# Altium PCB C210_220601.PcbDoc (part 2 of 7) (continued)
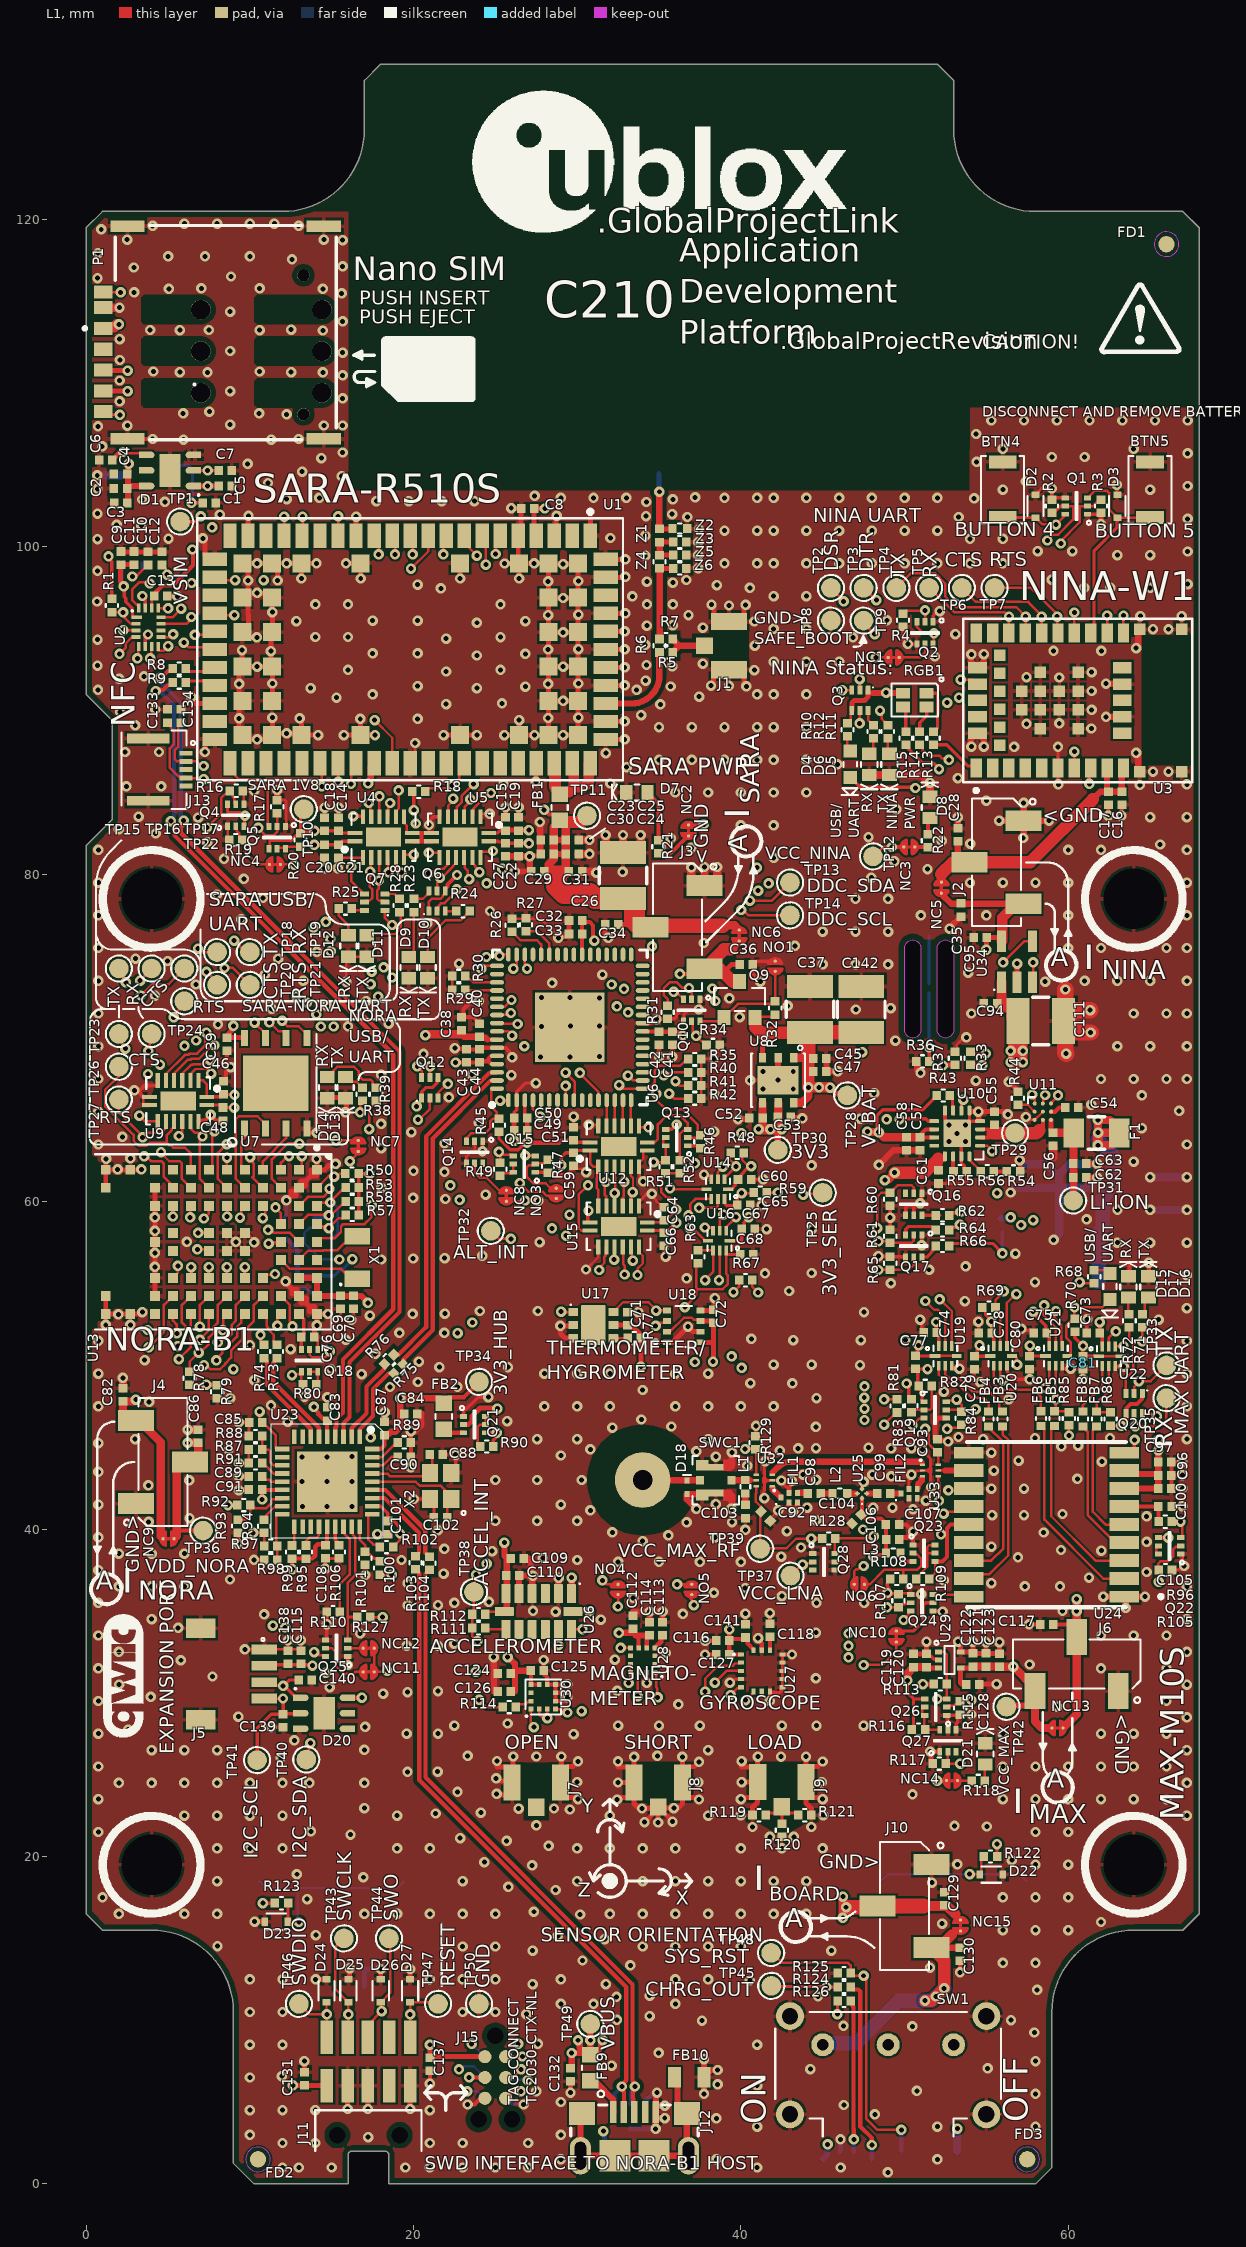
[diagram p0: L1 view]
## Part data (continued)
D1 D28: library part TPD3E001, "TVS Diode, ESD High Speed 3-Channel Array, WSON-6, 3mmX3mm", Current=None, Manufacturer 1="Texas Instruments", Manufacturer Part Number 1=TPD3E001DRSR, Max Operating Temp=85, MFG Package="WSON-6, DRS (S-PWSON-N6)", Min Operating Temp=-40, Part Name="Diode TVS 5V 3CH WSON-6", Voltage=5.5V, Body Size="3mm x 3mm", Height=0.80mm, Item Phase="In Production", Manufacturer 2=None, Manufacturer Part Number 2=None, Pins=6, Revision=0A, Supplier 2=None, Supplier Part Number 2=None, UBX Code=None, Use in new designs=Yes
D2 D3 D22 D23 D24 D25 D26 D27: "Diode TVS 5VWM BiDIR SOD523", Current=None, Manufacturer 1="ON Semiconductor", Manufacturer Part Number 1=ESD5B5.0ST1G, Max Operating Temp=150, MFG Package=SOD-523, Min Operating Temp=-55, Part Name="Diode TVS 5VWM SOD523", Supplier Part Number 1=ESD5B5.0ST1GOSCT-ND, Voltage=5VWM, Body Size="1.2mm x 0.8mm", Height=0.7mm, Item Phase=Unreleased, Manufacturer 2=None, Manufacturer Part Number 2=None, Part Number=110-00041, Pins=2, Revision=None, Supplier 1=Digi-Key, Supplier 2=None, Supplier Part Number 2=None, UBX Code=None, Use in new designs=Yes
D4 D15: "LED BLUE DIFFUSED 0603 SMD", Current=None, Manufacturer 1="OSRAM Opto Semiconductors Inc", Manufacturer Part Number 1="LB Q39G-L2OO-35-1", Supplier Part Number 1=475-2816-1-ND, Body Size=None, Height=None, Item Phase=Unreleased, Manufacturer 2=None, Manufacturer Part Number 2=None, Max Operating Temp=None, MFG Package=None, Min Operating Temp=None, Part Name="LED BLUE DIFFUSED 0603 SMD", Part Number=115-00023, Pins=None, Revision=None, Size=None, Supplier 1=Digi-Key, Supplier 2=None, Supplier Part Number 2=None, UBX Code=None, Use in new designs=None, Voltage=None
D5 D13 D16: "DIODE, LED, SMT, GREEN, CLEAR LENS, 2.0V 20mA, 0603", Current=20mA, Manufacturer 1="Lite-On Inc", Manufacturer 2=None, Manufacturer Part Number 1=LTST-C190KGKT, Max Operating Temp=85, Min Operating Temp=-30, Part Name="LED Green SMT 0603", Supplier Part Number 1=160-1435-2-ND, Voltage=2.0V, Body Size="1.60mm x 0.80mm", Height=0.80mm, Item Phase="In Production", Manufacturer Part Number 2=None, MFG Package=None, Part Number=115-00019, Pins=2, Revision=0A, Size=0603, Supplier 1=Digi-Key, Supplier 2=None, Supplier Part Number 2=None, UBX Code=None, Use in new designs=Yes
D6 D9 D12 D14 D17: "DIODE, LED, SMT, YELLOW, CLEAR LENS, 2.1V 10mA, 0603", Current=10mA, Manufacturer 1="Lite-On Inc", Manufacturer 2=None, Max Operating Temp=85, Min Operating Temp=-30, Part Name="LED Yellow SMT 0603", Supplier Part Number 1=160-1184-2-ND, Voltage=2.1V, Body Size="1.60mm x 0.80mm", Height=0.80mm, Item Phase="In Production", Manufacturer Part Number 1=LTST-C190YKT, Manufacturer Part Number 2=None, MFG Package=None, Part Number=LTST-C190YKT, Pins=2, Revision=0A, Size=0603, Supplier 1=Digi-Key, Supplier 2=None, Supplier Part Number 2=None, UBX Code=None, Use in new designs=Yes
D7 D8 D21: "DIODE, LED, SMT, Red, CLEAR LENS, 2.0V 10mA, 0603", Current=10mA, Manufacturer 1="Lite-On Inc", Manufacturer 2=None, Max Operating Temp=85, Min Operating Temp=-30, Part Name="LED Red SMT 0603", Supplier Part Number 1=160-1182-2-ND, Voltage=2.0V, Body Size="1.60mm x 0.80mm", Height=0.80mm, Item Phase="In Production", Manufacturer Part Number 1=LTST-C190EKT, Manufacturer Part Number 2=None, MFG Package=None, Part Number=LTST-C190EKT, Pins=2, Revision=0A, Size=0603, Supplier 1=Digi-Key, Supplier 2=None, Supplier Part Number 2=None, UBX Code=None, Use in new designs=Yes
D10 D11: library part LTST-C190KGKT, "DIODE, LED, SMT, GREEN, CLEAR LENS, 2.0V 20mA, 0603", Current=20mA, Manufacturer 1="Lite-On Inc", Manufacturer 2=None, Max Operating Temp=85, Min Operating Temp=-30, Part Name="LED Green SMT 0603", Supplier Part Number 1=160-1435-2-ND, Voltage=2.0V, Body Size="1.60mm x 0.80mm", Height=0.80mm, Item Phase="In Production", Manufacturer Part Number 1=LTST-C190KGKT, Manufacturer Part Number 2=None, MFG Package=None, Part Number=115-00019, Pins=2, Revision=0A, Size=0603, Supplier 1=Digi-Key, Supplier 2=None, Supplier Part Number 2=None, UBX Code=None, Use in new designs=Yes
D18: "Diode, TVS, SMT, ESD9101P2T5G, 3.3V, 0.5pF, SOD-923", Current=None, Manufacturer 1="ON Semiconductor", Manufacturer Part Number 1=ESD9101P2T5G, Max Operating Temp=150, MFG Package=SOD-923, Min Operating Temp=-55, Part Name="Diode TVS 3.3V SOD-923", Voltage=3.3V, Body Size="0.8mm x 0.6mm", Height=0.4mm, Item Phase="In Production", Pins=2, Revision=0A, UBX Code=None, Use in new designs=Yes
D20: "TVS Diode, ESD High Speed 3-Channel Array, WSON-6, 3mmX3mm", Current=None, Manufacturer 1="Texas Instruments", Manufacturer Part Number 1=TPD3E001DRSR, Max Operating Temp=85, MFG Package="WSON-6, DRS (S-PWSON-N6)", Min Operating Temp=-40, Part Name="Diode TVS 5V 3CH WSON-6", Voltage=5.5V, Body Size="3mm x 3mm", Height=0.80mm, Item Phase="In Production", Manufacturer 2=None, Manufacturer Part Number 2=None, Pins=6, Revision=0A, Supplier 2=None, Supplier Part Number 2=None, UBX Code=None, Use in new designs=Yes
D29: "Dual LED, Red/Green, Right Angle, Dome 1208", Current=20mA, Manufacturer 1=Dialight, Manufacturer 2=None, Manufacturer Part Number 1=5988510207F, MFG Package="1208 Bi-color", Part Name="LED Red/Green RA SMT 1208", Supplier Part Number 1=350-2072-1-ND, Body Size="3.2mm x 1.5mm", Height=1.0mm, Item Phase="In Production", Manufacturer Part Number 2=None, Max Operating Temp=None, Min Operating Temp=None, Part Number=115-00013, Pins=4, Revision=0A, Size=None, Supplier 1=Digi-Key, Supplier 2=None, Supplier Part Number 2=None, UBX Code=None, Use in new designs=Yes, Voltage=None
ESIM: "ESIM, SMT, MFF2, 1.8V, SMT, VFDFPN8, 5mmX6mm", Current=None, Manufacturer 1=Generic, Manufacturer Part Number 1=ESIM, Max Operating Temp=85, MFG Package=VFDFPN8, Min Operating Temp=-40, Voltage=1.8V, Body Size="5mm x 6mm", Height=1mm, Item Phase="In Production", Part Name=ESIM, Part Number="MFF2 SIM", Pins=12, Revision=0A, UBX Code=None, Use in new designs=Yes
F1: "Fuse, PTC 8V, 750mA, hold, 1.5A trip, 1206", Current=750mA, Manufacturer 1=Littelfuse, Manufacturer Part Number 1=1206L075THYR, Max Operating Temp=85, MFG Package=1206L, Min Operating Temp=-40, Part Name="Fuse PTC 8V 750mA 1206", Supplier Part Number 1=F3370CT-ND, Voltage=None, Body Size=None, Height=0.75mm, Item Phase=Unreleased, Part Number=190-00005, Pins=2, Revision=None, Size=1206, Supplier 1=Digi-Key, UBX Code=None, Use in new designs=Yes
FB1 FB2 FB9: "Ferrite Bead, 220ohm @ 100MHz, 2A, 0603", Current=2A, Manufacturer 1="Murata Electronics North America", Manufacturer 2=None, Manufacturer Part Number 1=BLM18EG221SN1D, Max Operating Temp=85, Min Operating Temp=-55, Part Name="Ferrite Bead 220ohm 2A 0503", Supplier Part Number 1=490-3992-2-ND, Body Size=None, Height=0.8mm, Item Phase=Unreleased, Manufacturer Part Number 2=None, MFG Package=None, Part Number=BLM18EG221SN1, Pins=None, Revision=None, Size=0603, Supplier 1=Digi-Key, Supplier 2=None, Supplier Part Number 2=None, UBX Code=None, Use in new designs=Yes, Voltage=None
FB3 FB4 FB5 FB6 FB7 FB8: "Ferrite Bead, 1k Ohm @ 100MHz, 0402", Current=150mA, Manufacturer 1="Taiyo Yuden", Manufacturer 2=Kemet, Manufacturer Part Number 1=BK1005HM102-T, Manufacturer Part Number 2=Z0402C102BSMST, Max Operating Temp=125, MFG Package=None, Min Operating Temp=-55, Part Name="FERRITE BEAD 1K OHM 0402", Supplier Part Number 1=587-1835-1-ND, Body Size=None, Height=0.55mm, Item Phase="In Production", Part Number=155-00003, Pins=2, Revision=0A, Size=0402, Supplier 1=Digi-Key, Supplier 2=Digi-Key, Supplier Part Number 2=399-9602-1-ND, UBX Code=None, Use in new designs=Yes, Voltage=None
FB10: "Ferrite Bead, 120ohm @ 100MHz, 3A, 0805", Current=3A, Manufacturer 1="Murata Electronics North America", Manufacturer 2=None, Manufacturer Part Number 1=BLM21PG121SN1D, Max Operating Temp=125, Min Operating Temp=-55, Part Name="Ferrite Bead 120ohm 3A 0805", Supplier Part Number 1=490-5986-1-ND, Body Size=None, Height=1.05mm, Item Phase=Unreleased, Manufacturer Part Number 2=None, MFG Package=None, Part Number=155-00014, Pins=None, Revision=None, Size=0805, Supplier 1=Digi-Key, Supplier 2=None, Supplier Part Number 2=None, UBX Code=None, Use in new designs=Yes, Voltage=None
FD1 FD2 FD3 FD4 FD5 FD6: library part Fiducial_1mm_Circle, "1mm Fiducial Target", Part Number=Fiducial_1mm, Added By=EMOO, Added Date=12/12/2020, DNP=DNP, Height=0
FIL1 FIL2: "FILTER, SMT, SAW, GNSS, 1.559-1.606GHz, LGA5", Current=None, Manufacturer 1=RF360, Max Operating Temp=85, MFG Package=QCS5P, Min Operating Temp=-40, Supplier Part Number 1=871-B39162B4353P810, Voltage=N/A, Body Size="1.4mm x 1.1mm", Height=0.45mm, Item Phase="In Production", Manufacturer Part Number 1=B39162B4353P810, Part Name=B39162B4353P810, Part Number=B39162B4353P810, Pins=5, Revision=0A, Supplier 1=Mouser, UBX Code=None, Use in new designs=Yes
J1 J7 J8 J9: "U.FL jack, SMA 50 ohm, 3 pin, SMT", Manufacturer 1="Hirose Electric Co Ltd", Manufacturer 2="Dongguan Qintai Electronics Co, Ltd.", Manufacturer Part Number 1=U.FL-R-SMT(10), Manufacturer Part Number 2=MHF-RT-1, Max Operating Temp=90, Min Operating Temp=-40, Part Name="CON RF UMC U.FL Jack 3Pin SMT", Supplier Part Number 1=H9161CT-ND, Voltage=None, Diameter=None, Height=1.25mm, Item Phase="In Production", Part Number=130-00067, Pins=3, Revision=0A, Supplier 1=Digi-Key, Supplier 2="Rayson Technology co., ltd", Supplier Part Number 2=MHF-RT-1, UBX Code=UBXH04-0001026, Use in new designs=Yes
J2 J3 J4 J6 J10: "Header, 0.100\" Pitch, 3 Pin, Vertical SMT, Black", Manufacturer 1="Harwin Inc", Manufacturer 2="Greenconn Corporation", Manufacturer Part Number 1=M20-8770342, Manufacturer Part Number 2=GPHC1010302A081B1BD, Max Operating Temp=None, Part Name="CON HDR 0.1\" 3 Pin 1 Row SMT", Supplier Part Number 1=952-1951-ND, Diameter=None, Height=9.93mm, Item Phase="In Production", Min Operating Temp=None, Part Number=130-00105, Pins=3, Revision=0C, Supplier 1=Digi-Key, Supplier 2="Teamwise Limited", Supplier Part Number 2="Greenconn Corporation GPHC1010302A081B1BD", UBX Code=None, Use in new designs=Yes, Voltage=None
J5: "Conn, Header, SMD, 1mm Pitch, 4 Pin, R/A, White", Manufacturer 1="JST Sales America Inc.", Manufacturer 2=None, Part Name="CONN HEADER SMD R/A 4POS 1MM", Diameter=None, Height=2.9mm, Item Phase="In Production", Manufacturer Part Number 1=SM04B-SRSS-TB(LF)(SN), Manufacturer Part Number 2=None, Max Operating Temp=None, Min Operating Temp=None, Part Number=SM04B-SRSS-TB(LF)(SN), Pins=4, Revision=0A, Supplier 1=None, Supplier 2=None, Supplier Part Number 1=None, Supplier Part Number 2=None, UBX Code=None, Use in new designs=Yes, Voltage=None
J11: "Header 0.05\" 10Pin 2Row SMD, RA, Black", Color=Black, Manufacturer=Samtec, Manufacturer P/N=FTSH-105-01-F-DH-A-C, Part Name="CON HDR 0.05\" 10Pin 2Row RA SMD Black", Supplier Part Number 1=SAM13925TR-ND, Component Mounting Type=SMT, Connector Type=Header, Height=3.96mm, Item_Phase=Pre-Production, Keyed=Yes, Length=12.75mm, Locking=No, Part Number="FTSH-105-01-F-DH-A-C - JTAG", Part_Type=Connector, Pin Pitch="0.050\"", Pins=10, Revision=1, Rows=2, Supplier 1=Digi-Key, Use in new designs=Yes, Width=6.35
J12: "USB Micro B Receptacle, Right Angle SMT with 2 TH Tabs, 0.65mm", Color=Silver, Manufacturer=FCI, Manufacturer 2="Seeed Technology", Manufacturer P/N=10118193-0001LF, Manufacturer P/N 2="Rigado 130-00008", Part Name="CON USB Micro-B SMT RA 2 Tabs", Supplier Part Number 1=609-4616-1-ND, Arena Link=https://app.bom.com/a/O6PX3ATATCBTBM9U?v=spec.summary, Component Mounting Type=SMT, Connector Type=USB, Height=3.10mm, Item_Phase=Production, Keyed=Yes, Length=5.05mm, Locking=No, Part Number=130-00008, Part_Type=Connector, Pin Pitch=0.65mm, Pins=5, Revision=0B, Rows=1, Supplier 1=Digi-Key, Supplier 2="Seeed Technology", Supplier Part Number 2="Rigado 130-00008", Use in new designs=Yes, Width=7.86mm
J13: "CON FFC/FPC 0.50mm 5Pos R/A", Color=White, Manufacturer="Molex Inc", Manufacturer P/N=0512810594, Supplier Part Number 1=WM9836CT-ND, Voltage=50V, Arena Link=https://app.bom.com/a/ZH08EL4L4NM1OBQL?v=spec.summary, Component Mounting Type=SMT, Connector Type=FPC, Height=1.2mm, Item_Phase=Preliminary, Keyed=No, Length=4.8mm, Locking=No, Part Name="CON FFC/FPC 0.50mm 5Pos R/A", Part Number=130-00098, Part_Type=Connector, Pin Pitch=0.5mm, Pins=5, Rows=1, Supplier 1=Digi-Key, Use in new designs=Yes, Width=3.55mm
J14: "Conn, SMT, 0.079\" Pitch, 2 Pin, R/A, Black", Manufacturer 2=None, Diameter=None, Height=5.5mm, Item Phase="In Production", Manufacturer Part Number 1=S2B-PH-SM4-TB, Manufacturer Part Number 2=None, Max Operating Temp=None, Min Operating Temp=None, Part Name="Conn, SMT, 0.079\" Pitch, 2 Pin, R/A, Black", Part Number=S2B-PH-SM4-TB, Pins=2, Revision=0A, Supplier 1=None, Supplier 2=None, Supplier Part Number 1=None, Supplier Part Number 2=None, UBX Code=None, Use in new designs=Yes, Voltage=None
J15 J17: "CON PADS FOR CBL PLUG-OF-NAILS 6-PIN NO LEGS", Manufacturer="TAG Connect", Manufacturer P/N=TC2030-IDC-NL, Added By=emoo, Added Date=12/3/2015, DNP=DNP, Height=0, Part Number=TC2030-IDC-NL, Size="3.81mm x 7.62mm"
L1: library part 150-00028, "Inductor, 12nH, 300mA, 0402", Current=300mA, Manufacturer 1="Johanson Technology Inc.", Manufacturer 2=None, Manufacturer Part Number 1=L-07C12NJV6T, Max Operating Temp=125, Min Operating Temp=-55, Part Name="IND 12nH 250mA 0402", Supplier Part Number 1=712-1453-1-ND, Tolerance="+/- 5%", Voltage=N/A, Body Size=None, Height=0.6mm, Isat=None, Item Phase=Unreleased, Manufacturer Part Number 2=None, Part Number=150-00028, Pins=2, Revision=None, Size=0402, Supplier 1=Digi-Key, Supplier 2=None, Supplier Part Number 2=None, UBX Code=None, Use in new designs=Yes
L2 L3 Z2: library part 150-00010, "INDUCTOR 10NH 300MA 0402", Current=None, Manufacturer 1="Murata Electronics North America", Manufacturer Part Number 1=LQG15HS10NJ02D, Max Operating Temp=125, Min Operating Temp=-55, Supplier Part Number 1=490-2623-1-ND, Tolerance="+/- 5%", Body Size=None, Height=0.55mm, Isat=300mA, Item Phase="In Production", Manufacturer 2=None, Manufacturer Part Number 2=None, Part Name="INDUCTOR 10NH 300MA 0402", Part Number=150-00010, Pins=2, Revision=0A, Size=0402, Supplier 1=Digi-Key, Supplier 2=None, Supplier Part Number 2=None, UBX Code=None, Use in new designs=Yes, Voltage=None
NC1 NC3 NC5 NC7 NC9 NC10 NC12 NC13 NC14: "Solderbridge-Short", Added By="Paul B", Added Date=12/2/2015, DNP=DNP, Height=0, Part Number=Solderbridge-Short
NC2 NC4 NC6 NC8 NC11 NC15: library part Solderbridge-Short, "Solderbridge-Short", Added By="Paul B", Added Date=12/2/2015, DNP=DNP, Height=0, Part Number=Solderbridge-Short
NO1 NO3: library part Solderbridge-Open, "Solderbridge-Open", Added By="Paul B", Added Date=12/2/2015, DNP=DNP, Height=0, Part Number=Solderbridge-Open
NO4 NO5 NO6: "Solderbridge-Open", Added By="Paul B", Added Date=12/2/2015, DNP=DNP, Height=0, Part Number=Solderbridge-Open
P1: "NANO SIM SOCKET, SWITCH, SMT, PUSH-PUSH, 13mmX14mm", Current=1A, Manufacturer 1=GCT, Manufacturer Part Number 1=SIM8065-6-1-14-01-A, Max Operating Temp=85, MFG Package=Custom, Min Operating Temp=-40, Voltage=30V, Body Size="13mm x 14mm", Height=1.25mm, Item Phase="In Production", Part Name=SIM8065, Part Number=SIM8065, Pins=11, Revision=0A, UBX Code=None, Use in new designs=Yes
Q1 Q2 Q4 Q10 Q13 Q14 Q16 Q17 Q19 Q24 Q25: "MOSFET 2N-CH 20V 0.8A, SOT-563", Current=800mA, Manufacturer 1="Toshiba Semiconductor and Storage", Manufacturer 2=None, Manufacturer Part Number 1=SSM6N56FE,LM, Max Operating Temp=150, MFG Package=SOT-563, Min Operating Temp=-55, Part Name="MOSFET 2N-CH 20V 0.8A SOT-563", Supplier Part Number 1=SSM6N56FELMCT-ND, Voltage=20V, Body Size="1.6mm x 1.2mm", Height=0.6mm, Item Phase="In Production", Manufacturer Part Number 2=None, Part Number=140-00016, Pins=6, Revision=0A, Supplier 1=Digi-Key, Supplier 2=None, Supplier Part Number 2=None, Thermal Pad=No, Transistor Type=N-Channel, UBX Code=None, Use in new designs=Yes
Q3 Q6 Q7 Q12 Q20: "MOSFET DUAL P-CH 20V SOT-563, -350mA", Current=-350mA, Manufacturer 1="ON Semiconductor", Manufacturer 2=None, Max Operating Temp=150, MFG Package=SOT-563, Min Operating Temp=-55, Part Name="MOSFET DUAL P-CH 20V SOT-563", Supplier Part Number 1=2156-FDY2000PZ-ND, Voltage=20V, Body Size=1.6mmx1.6mm, Height=0.6mm, Item Phase="In Production", Manufacturer Part Number 1=FDY2000PZ, Manufacturer Part Number 2=None, Part Number=FDY2000PZ, Pins=6, Revision=0A, Supplier 1=Digi-Key, Supplier 2=None, Supplier Part Number 2=None, Thermal Pad=No, Transistor Type=Multiple, UBX Code=None, Use in new designs=Yes
Q5 Q15 Q18 Q21 Q22 Q23 Q26 Q27 Q28: "MOSFET N/P-CH 20V SOT-563, 540 mA, −430 mA", Current="540 mA, −430 mA", Manufacturer 1="ON Semiconductor", Manufacturer 2=None, Manufacturer Part Number 1=NTZD3155CT2G, Max Operating Temp=150, MFG Package=SOT-563, Min Operating Temp=-55, Part Name="MOSFET N/P-CH 20V SOT-563", Supplier Part Number 1=NTZD3155CT2GOSCT-ND, Voltage=20V, Body Size=1.6mmx1.6mm, Height=0.6mm, Item Phase="In Production", Manufacturer Part Number 2=None, Part Number=140-00030, Pins=6, Revision=0A, Supplier 1=Digi-Key, Supplier 2=None, Supplier Part Number 2=None, Thermal Pad=No, Transistor Type=Multiple, UBX Code=None, Use in new designs=Yes
Q9: "P-MOSFET, 20V 3.1A, SOT-23", Current=3.1A, Manufacturer 1="Vishay Siliconix", Manufacturer 2=None, Manufacturer Part Number 1=SI2301CDS-T1-GE3, Max Operating Temp=150, MFG Package=SOT23, Min Operating Temp=-55, Part Name=Si2301CDS, Supplier Part Number 1=SI2301CDS-T1-GE3CT-ND, Voltage=20V, Body Size=None, Height=None, Item Phase="In Production", Manufacturer Part Number 2=None, Part Number=140-00008, Pins=3, Revision=0B, Supplier 1=Digi-Key, Supplier 2=None, Supplier Part Number 2=None, Thermal Pad=None, Transistor Type=P-Channel, UBX Code=None, Use in new designs=Yes
R1 R36 R44 R55 R67 R77 R87 R88 R92 R93 R97 R98: library part 180-00024, "Resistor 10k ohm 1% 1/16W, 0402", Manufacturer 1="Samsung Electro-Mechanics America, Inc", Manufacturer 2="Hong Kong Resistors Manufactory", Manufacturer Part Number 1=RC1005F103CS, Manufacturer Part Number 2=RCT0210KFLF, Max Operating Temp=155, Min Operating Temp=-55, Part Name="RES SMD 10K OHM 1% 1/16W 0402", Power=1/16W, Supplier Part Number 1=1276-3431-1-ND, Tolerance="+/- 1%", Voltage=N/A, Height=0.4mm, Item Phase="In Production", Part Number=180-00024, Pins=2, Revision=0E, Size=0402, Supplier 1=Digi-Key, Supplier 2=None, Supplier Part Number 2=None, UBX Code=None, Use in new designs=Yes
R2 R3 R4 R16 R17 R19 R20 R31 R32 R33 R34 R37 R43 R46 R47 R49 R51 R52 R60 R61 R65 R70 R79 R80 R82 R84 R85 R90 R105 R108 R109 R113 R115 R116 R117 R122 R123 R125 R128 R129: library part 180-00054, "Resistor 1M ohm 1%, 1/16W, 0402", Manufacturer 1="Samsung Electro-Mechanics America, Inc", Manufacturer 2="Hong Kong Resistors Manufactory", Manufacturer Part Number 1=RC1005F105CS, Manufacturer Part Number 2=RCT021MFLF, Max Operating Temp=155, Min Operating Temp=-55, Part Name="RES SMD 1M OHM 1% 1/16W 0402", Power=1/16W, Supplier Part Number 1=1276-3433-1-ND, Tolerance="+/- 1%", Voltage=None, Height=0.4mm, Item Phase="In Production", Part Number=180-00054, Pins=2, Revision=0D, Size=0402, Supplier 1=Digi-Key, Supplier 2=None, Supplier Part Number 2=None, UBX Code=None, Use in new designs=Yes
R5 R6 R7 R8 R9 R26 R27 R29 R30 R35 R40 R41 R42 R73 R74 R75 R76 R103 R104 R111 R114 Z3 Z4 Z5 Z6: library part 180-00020, "Resistor 0 ohm 1/16W 0402", Manufacturer 1=Yageo, Manufacturer 2="Hong Kong Resistors Manufactory", Manufacturer Part Number 1=RC0402FR-070RL, Manufacturer Part Number 2=RCT020RLF, Max Operating Temp=155, Min Operating Temp=-55, Part Name="RES SMD 0.0 OHM JUMPER 1/16W 0402", Power=1/16W, Supplier Part Number 1=311-0.0LRCT-ND, Tolerance=None, Voltage=N/A, Height=0.40mm, Item Phase="In Production", Part Number=180-00020, Pins=2, Revision=0E, Size=0402, Supplier 1=Digi-Key, Supplier 2=None, Supplier Part Number 2=None, UBX Code=None, Use in new designs=Yes
R10 R11 R12 R14 R15 R21 R22 R23 R24 R25 R28 R38 R39 R64 R66 R68 R71 R72 R118 R126: library part 180-00098, "Resistor, 220ohm, 5%, 1/16W, 0402.", Manufacturer="Panasonic Electronic Components", Manufacturer 2="Samsung Electro-Mechanics America, Inc", Manufacturer P/N=ERJ-2GEJ221X, Manufacturer P/N 2=RC1005J221CS, Part Name="RES SMD 220 OHM 5% 1/16W 0402", Power=1/16W, Supplier Part Number 1=P220JCT-ND, Tolerance="+/- 5%", Alternate Footprint Ref="RES 0402", Arena Link=https://app.bom.com/a/8Q9HNUDUDWVBJC30?v=spec.summary, Component Mounting Type=SMT, Height=0.4mm, Item_Phase=Production, Part Number=180-00098, Part_Type=Resistor, Pins=2, Revision=0C, Size=0402, Supplier 1=Digi-Key, Supplier 2=Digi-Key, Supplier Part Number 2=1276-4360-1-ND, Use in new designs=Yes
R13 R62 R124: library part 180-00031, "Resistor, 499ohm, 1%, 1/16W, 0402", Manufacturer="Rohm Semiconductor", Manufacturer 2="Samsung Electro-Mechanics America, Inc", Manufacturer P/N=MCR01MRTF4990, Manufacturer P/N 2=RC1005F4990CS, Part Name="RES SMD 499 OHM 1% 1/16W 0402", Power=1/16W, Supplier Part Number 1=RHM499CDCT-ND, Tolerance="+/- 1%", Alternate Footprint Ref="RES 0402", Arena Link=https://app.bom.com/a/Q8RZ5CVCVEDU1SS5?v=spec.summary, Component Mounting Type=SMT, Height=0.4mm, Item_Phase=Production, Part Number=180-00031, Part_Type=Resistor, Pins=2, Revision=0D, Size=0402, Supplier 1=Digi-Key, Supplier 2=Digi-Key, Supplier Part Number 2=1276-3992-1-ND, Use in new designs=Yes
R18 R45 R48 R50 R57 R59 R63 R69 R78 R86 R91 R94 R95 R99 R100 R101 R102 R106 R107 R110 R112 R127: library part 180-00093, "Resistor 100K ohm 1% 1/16W, 0402", Manufacturer 1=Yageo, Manufacturer 2="Rohm Semiconductor", Manufacturer Part Number 1=RC0402FR-07100KL, Manufacturer Part Number 2=MCR01MRTF1003, Max Operating Temp=155, Min Operating Temp=-55, Part Name="RES SMD 100K ohm 1% 1/16W 0402", Power=1/16W, Supplier Part Number 1=311-100KLRCT-ND, Tolerance="+/- 1%", Voltage=None, Height=0.4mm, Item Phase="In Production", Part Number=180-00093, Pins=2, Revision=0B, Size=0402, Supplier 1=Digi-Key, Supplier 2=Digi-Key, Supplier Part Number 2=RHM100KCDCT-ND, UBX Code=None, Use in new designs=Yes
R53 R58: library part 180-00023, "Resistor, 2.2Kohm, 1%, 1/16W, 0402", Manufacturer 1="Rohm Semiconductor", Manufacturer 2=Yageo, Manufacturer Part Number 1=MCR01MRTF2201, Manufacturer Part Number 2=RC0402FR-072K2L, Max Operating Temp=155, Min Operating Temp=-55, Part Name="RES SMD 2.2K OHM 1% 1/16W 0402", Power=1/16W, Supplier Part Number 1=RHM2.20KCDCT-ND, Tolerance="+/- 1%", Voltage=None, Height=0.4mm, Item Phase="In Production", Part Number=180-00023, Pins=2, Revision=0A, Size=0402, Supplier 1=Digi-Key, Supplier 2=Digi-Key, Supplier Part Number 2=311-2.20KLRCT-ND, UBX Code=None, Use in new designs=Yes
R54 R56 R81 R83 R96: library part 180-00021, "Resistor 1k ohm 1% 1/16W, 0402", Manufacturer 1="Hong Kong Resistors Manufactory", Manufacturer 2=Yageo, Manufacturer Part Number 1=RCT021KFLF, Manufacturer Part Number 2=RC0402FR-071KL, Max Operating Temp=155, Min Operating Temp=-55, Part Name="RES SMD 1K OHM 1% 1/16W 0402", Power=1/16W, Supplier Part Number 1=None, Tolerance="+/- 1%", Height=0.4mm, Item Phase="In Production", Part Number=180-00021, Pins=2, Revision=0E, Size=0402, Supplier 1=None, Supplier 2=Digi-Key, Supplier Part Number 2=311-1.00KLRCT-ND, UBX Code=None, Use in new designs=Yes, Voltage=None
R89: library part 180-00096, "Resistor 12k ohm 1% 1/16W 0402", Manufacturer 1=None, Manufacturer 2=Yageo, Manufacturer Part Number 2=RC0402FR-0712KL, Max Operating Temp=155, Min Operating Temp=-55, Part Name="RES SMD 12K OHM 1% 1/16W 0402", Power=1/16W, Supplier Part Number 1=1276-4122-1-ND, Tolerance="+/- 1%", Height=0.4mm, Item Phase="In Production", Manufacturer Part Number 1=None, Part Number=180-00096, Pins=2, Revision=0A, Size=0402, Supplier 1=Digi-Key, Supplier 2=Digi-Key, Supplier Part Number 2=311-12.0KLRCT-ND, UBX Code=None, Use in new designs=Yes, Voltage=None
R119 R120 R121: library part 180-00144, "RES SMD 150 OHM 1% 1/16W 0402", Manufacturer 1=Yageo, Manufacturer 2=None, Manufacturer Part Number 1=RC0402FR-07150RL, Max Operating Temp=155, Min Operating Temp=-55, Power=1/16W, Supplier Part Number 1=311-150LRCT-ND, Tolerance="+/- 1%", Height=0.4mm, Item Phase=Unreleased, Manufacturer Part Number 2=None, Part Name="RES SMD 150 OHM 1% 1/16W 0402", Part Number=180-00144, Pins=2, Revision=None, Size=0402, Supplier 1=Digi-Key, Supplier 2=None, Supplier Part Number 2=None, UBX Code=None, Use in new designs=Yes, Voltage=None
RGB1 RGB2: "LED RGB SMT 0606", Current=20mA, Manufacturer 1="Lite-On Inc", Manufacturer 2="QT Brightek (QTB)", Manufacturer Part Number 1=LTST-C19HE1WT, Manufacturer Part Number 2=QBLP600-RGB, Max Operating Temp=80, MFG Package=0606, Min Operating Temp=-20, Supplier Part Number 1=160-2162-1-ND, Voltage=None, Body Size="1.6mm x 1.6mm", Height=0.35mm, Item Phase="In Production", Part Name="LED RGB SMT 0606", Part Number=115-00026, Pins=4, Revision=0B, Size=Other, Supplier 1=Digi-Key, Supplier 2=Digi-Key, Supplier Part Number 2=1516-1184-1-ND, UBX Code=None, Use in new designs=Yes
RT1: library part 182-00002, "Thermistor, 10Kohm, NTC 5%, 0201, 0.6mm x 0.3mm", Manufacturer 1="Murata Electronics North America", Manufacturer Part Number 1=NCP03XH103J05RL, Max Operating Temp=125, Min Operating Temp=-40, Part Name="Thermistor 10k Ohm 5% 3380K 0201", Power=1/20W, Supplier Part Number 1=490-4644-1-ND, Tolerance="+/- 5%", Voltage=None, Body Size="0.6mm x 0.3mm", Height=0.26mm, Item Phase=Unreleased, Part Number=182-00002, Pins=2, Revision=None, Size=0201, Supplier 1=Digi-Key, UBX Code=None, Use in new designs=Yes
STD1 STD2 STD3 STD4: "Standoff, SMT, 2mm, Unthreaded, 2.7mm ID, 5.1mm OD, Steel, Plated", Manufacturer 1="Würth Elektronik", Manufacturer 2=None, Part Name="SMT STD 2mm", Diameter=None, Height=2mm, Item Phase="In Production", Manufacturer Part Number 1=9774020951R, Manufacturer Part Number 2=None, Max Operating Temp=None, Min Operating Temp=None, Part Number=9774020951R, Pins=1, Revision=0A, Supplier 1=None, Supplier 2=None, Supplier Part Number 1=None, Supplier Part Number 2=None, UBX Code=None, Use in new designs=Yes, Voltage=None
SW1: "Slide switch, SPDT, 3 Pin, 500mA, 15V, Through Hole", Current=500mA, Manufacturer 1=E-Switch, Manufacturer 2=None, Manufacturer Part Number 1=EG1224, Max Operating Temp=70, Min Operating Temp=-20, Part Name="Switch Slide SPDT 500mA 13.8mm RA TH", Supplier Part Number 1=EG2585-ND, Voltage=15V, Height=8.5mm, Item Phase=Unreleased, Manufacturer Part Number 2=None, Part Number=137-00002, Pins=3, Revision=None, Supplier 1=Digi-Key, Supplier 2=None, Supplier Part Number 2=None, UBX Code=None, Use in new designs=Yes
SWC1: "Conn, Coax, Test, Switch, 50Ohm, SMT, 2.5mmX2.4mm", Manufacturer 1=Hirose, Manufacturer 2=None, Part Name="CON HDR 0.1\" 3 Pin 1 Row SMT R/A", Diameter=None, Height=3.05mm, Item Phase="In Production", Manufacturer Part Number 1=MS-156C3, Manufacturer Part Number 2=None, Max Operating Temp=None, Min Operating Temp=None, Part Number=MS-156C3, Pins=3, Revision=0A, Supplier 1=None, Supplier 2=None, Supplier Part Number 1=None, Supplier Part Number 2=None, UBX Code=None, Use in new designs=Yes, Voltage=None
TP1 TP10 TP11 TP13 TP14 TP15 TP16 TP17 TP18 TP19 TP20 TP21 TP22 TP25 TP28 TP29 TP30 TP31 TP34 TP45 TP48 TP49 TP50: library part TP_R, "Testpoint, Round 1.0mm Dia", Part Number=TP10R, Added By="Jeremy D", Added Date=2/1/2015, Checked By="Paul B", Checked Date=2/5/2015, DNP=DNP, Height=0, Size=1.0mm
TP2 TP3 TP4 TP5 TP6 TP7 TP8 TP9 TP12 TP23 TP24 TP26 TP27 TP32 TP33 TP35 TP36 TP37 TP38 TP39 TP40 TP41 TP42 TP43 TP44 TP46 TP47: "Testpoint, Round 1.0mm Dia", Part Number=TP10R, Added By="Jeremy D", Added Date=2/1/2015, Checked By="Paul B", Checked Date=2/5/2015, DNP=DNP, Height=0, Size=1.0mm
U1: "GSM/GPRS and GSM/EGPRS/HSPA Cellular Module", Manufacturer=u-blox, Part Description="GSM/EGPRS/HSPA module"
U2: "IC, ANLG SWITCH, 4PDT, SIM OPTIMIZED, 1.4V-4.3V, SMT, XQFN-16, 2.6mmX1.8mm", Current=None, Manufacturer 1="NXP USA Inc.", Manufacturer Part Number 1=NX3DV2567GU,115, Max Operating Temp=85, MFG Package=XQFN-16, Min Operating Temp=-40, Voltage=1.4V-4.3V, Body Size="2.6mm x 1.8mm", Height=1mm, Item Phase="In Production", Part Name=NX3DV2567GU,115, Part Number=NX3DV2567, Pins=16, Revision=0A, UBX Code=None, Use in new designs=Yes
U3: "u-blox NINA-W156 WiFi, Bluetooth dual-mode module", Manufacturer=u-blox, Part Description="Stand-alone Bluetooth low energy module"
U4 U5 U9 U12 U15: "Voltage Level Translator Bidirectional 1 Circuit 4 Channel 380Mbps 16-DHVQFN (2.5x3.5)", Manufacturer 1="NXP Semiconductors", Manufacturer 2="ON Semiconductor", Manufacturer Part Number 1=74AVC4TD245BQ,115, Manufacturer Part Number 2=FXL4TD245BQX, Max Operating Temp=125, MFG Package=16-DHVQFN, Min Operating Temp=-40, Part Name="TXRX XLATING BIDIR 4CH 16-DHVQFN", Supplier Part Number 1=568-9220-1-ND, Voltage=3.6V, Body Size="2.5mm x 3.5mm", Height=1mm, Item Phase="In Production", Logic Type="Level Translator", Part Number=225-00011, Pins=16, Revision=0B, SMT Pitch=0.5mm, Supplier 1=Digi-Key, Supplier 2=Digi-Key, Supplier Part Number 2=FXL4TD245BQXCT-ND, Thermal Pad=Yes, UBX Code=None, Use in new designs=Yes
U6: "IC BRIDGE USB TO UART 64QFN", Manufacturer 1="Silicon Labs", Manufacturer Part Number 1=CP2108-B03-GMR, Max Operating Temp=85, MFG Package="64 Pin QFN", Min Operating Temp=-40, Part Name="IC USB FS QUAD UART/GPIO, 64-QFN", Supplier Part Number 1=336-5105-1-ND, Voltage=3.6V, Body Size="9mm x9mm", Height=0.9mm, Interface=USB, Item Phase=Pre-Production, Part Number=220-00051, Pins=64, Revision=1, SMT Pitch=0.50mm, Supplier 1=Digi-Key, Thermal Pad=Yes, UBX Code=None, Use in new designs=Yes
U7: "64Mbit QSPI NOR Flash", Manufacturer 1=Macronix, Manufacturer 2=None, Manufacturer Part Number 1=MX25R6435FZNIL0, Max Operating Temp=85, MFG Package="8-WDFN Exposed Pad", Min Operating Temp=-40, Part Name="IC Flash 64MBIT 80MHz 8WSON", Supplier Part Number 1=1092-1201-ND, Voltage=3.6V, Body Size="6mm x 5mm", Height=0.8mm, Interface=SPI, Item Phase="In Production", Manufacturer Part Number 2=None, Memory Size=64Mbit, Memory Speed=80MHZ, Memory Type="Flash - NOR", Part Number=240-00033, Pins=8, Revision=0A, SMT Pitch=1.27mm, Supplier 1=Digi-Key, Supplier 2=None, Supplier Part Number 2=None, Thermal Pad=Yes, UBX Code=None, Use in new designs=Yes
U8: "IC REG LDO 3.3V 1A 6DFN", Current=1A, Manufacturer 1="ON Semiconductor", Manufacturer 2=None, Manufacturer Part Number 1=NCP692MN33T2G, Max Operating Temp=85, MFG Package="6-VDFN Exposed Pad", Min Operating Temp=-40, Supplier Part Number 1=NCP692MN33T2GOSTR-ND, Voltage=3.3V, Body Size="3mm x 3mm", Height=1mm, Item Phase=Unreleased, Manufacturer Part Number 2=None, Part Name=NCP692MN33T2G, Part Number=260-00045, Pins=6, Reg Outputs=None, Revision=None, SMT Pitch=0.95mm, Supplier 1=Digi-Key, Supplier 2=None, Supplier Part Number 2=None, Thermal Pad=Yes, UBX Code=None, Use in new designs=Yes
U10: "BAT CHARGER, Li-ION, SMT, USB, PWR PATH, 500mA, 4.4V, 3mmx3mm QFN-16", Manufacturer 1="Texas Instruments", Manufacturer 2=None, Max Operating Temp=85, MFG Package=VQFN-16, Min Operating Temp=-40, Supplier Part Number 1=296-23937-2-ND, Voltage=5-6.5V, Body Size="3.3mm x 3.3mm", Height=1mm, Item Phase=Unreleased, Manufacturer Part Number 1=bq24230, Manufacturer Part Number 2=None, Part Number=bq24230, Pins=16, Revision=None, Size=Other, SMT Pitch=0.5mm, Supplier 1=Digi-key, Supplier 2=None, Supplier Part Number 2=None, UBX Code=None, Use in new designs=Yes
U11: "IC, SMT, BATTERY GAUGE, INGLE CELL Li-ION, COULOMB COUNTER, DSBGA-9 1.6mmX1.6mm", Current=None, Manufacturer 1="Texas Instruments", Max Operating Temp=85, MFG Package=QCS5P, Min Operating Temp=-40, Part Name=B39162B4353P810, Voltage=N/A, Body Size="1.4mm x 1.1mm", Height=0.45mm, Item Phase="In Production", Manufacturer Part Number 1=BQ27421, Part Number=BQ27421, Pins=5, Revision=0A, UBX Code=None, Use in new designs=Yes
U13: "u-blox NORA-B106 Bluetooth 5.2 LE module - dual core", Manufacturer=u-blox, Manufacturer P/N=NORA-B106-00B, Body Size="14.3 mm x 10.4 mm", Height="1.8 mm", Part Description="Stand-alone Bluetooth low energy module - dual core", Part Name=NORA-B106, Part Number=NORA-B106, Part_Type=Module
U14 U16 U19 U20 U21 U22: "IC Dual Translating Transceiver, 8XQFN", Manufacturer 1="NXP Semiconductors", Manufacturer 2=None, Manufacturer Part Number 1=NTSX2102GU8H, Max Operating Temp=85, MFG Package=8-XFQFN, Min Operating Temp=-40, Part Name="IC TXRX TRANSLATING 8XQFN", Supplier Part Number 1=568-10216-2-ND, Voltage=5.5V, Body Size="1.4mm X 1.2mm", Height=0.5mm, Item Phase="In Production", Logic Type="Level Translator", Manufacturer Part Number 2=None, Part Number=225-00008, Pins=8, Revision=0A, SMT Pitch=0.4mm, Supplier 1=Digi-Key, Supplier 2=None, Supplier Part Number 2=None, Thermal Pad=No, UBX Code=None, Use in new designs=Yes
U17: "SENSOR, Humidity, I2C, SMT, DFN-6 2.5mmX2.5mm", Current=None, Manufacturer 1="TE Connectivity", Max Operating Temp=85, MFG Package=QCS5P, Min Operating Temp=-40, Part Name=B39162B4353P810, Voltage=N/A, Body Size="1.4mm x 1.1mm", Height=0.45mm, Item Phase="In Production", Manufacturer Part Number 1=HTU31, Part Number=HTU31, Pins=5, Revision=0A, UBX Code=None, Use in new designs=Yes
U18: "SENSOR PRESSURE HUMIDITY TEMP", Manufacturer="Bosch Sensortec", Manufacturer P/N=BME280, MFG Package=DFN-8, Package Type=DFN, Supplier Part Number 1=828-1063-1-ND, Voltage=3.6V, Accuracy=±3%, Arena Link=https://app.bom.com/a/ASBJPWFWFYX2LZ4C?v=spec.summary, Body Size="2.5mm x 2.5mm", Component Mounting Type=SMT, Controller Interface=I2C/SPI, Height=1mm, Item_Phase=Pre-Production, Part Name=BME280, Part Number=250-00039, Part_Type="Active Sensor", Pins=8, Revision=1, Sensor Range Max="1100 hPa", Sensor Range Min="300 hPa", Sensor Type=Humidity/Pressure, SMT Pitch=0.65mm, Supplier 1=Digi-Key, Use in new designs=Yes
U23: library part 220-00017, "3-PORT USB 2.0 HUB CTRLR, QFN-36", Manufacturer 1="Microchip Technology", Manufacturer Part Number 1=USB2513B-AEZC-TR, Max Operating Temp=85, MFG Package=QFN-36, Min Operating Temp=0, Part Name=USB2513B-AEZC, Supplier Part Number 1=USB2513B-AEZC-CT-ND, Voltage=3.6V, Body Size="6mm x 6mm", Height=1mm, Interface=I2C, Item Phase=Unreleased, Part Number=220-00017, Pins=36, Revision=None, SMT Pitch=0.5mm, Supplier 1=Digi-Key, Thermal Pad=Yes, UBX Code=None, Use in new designs=Yes
U24: library part MAX, "u-blox MAX GNSS module", Manufacturer=u-blox, Part Description="u-blox GNSS module"
U25: "LNA, SMT, GNSS, 1.1-3.6V, 1.1mA18dB, 0.75dB, BGA4", Current=None, Manufacturer 1="Infineon Technologies", Manufacturer Part Number 1=BGA123L4E6327XTSA1, Max Operating Temp=85, MFG Package=TSLP-4-11, Min Operating Temp=-40, Supplier Part Number 1=BGA123L4E6327XTSA1TR-ND, Voltage=1.1-3.6V, Body Size="0.7mm x 0.7mm", Height=0.35mm, Item Phase="In Production", Part Name=BGA123L4, Part Number=BGA123L4, Pins=4, Revision=0A, Supplier 1=Digi-Key, UBX Code=None, Use in new designs=Yes
U26: "SENSOR, ACCELEROMETER, 3-AXIS, I2C, SMT, +/-16g, LGA-14 3mmX5mm", Current=None, Manufacturer 1="Analog Devices", Max Operating Temp=85, MFG Package=QCS5P, Min Operating Temp=-40, Part Name=B39162B4353P810, Voltage=N/A, Body Size="1.4mm x 1.1mm", Height=0.45mm, Item Phase="In Production", Manufacturer Part Number 1=ADXL345, Part Number=ADXL345, Pins=5, Revision=0A, UBX Code=None, Use in new designs=Yes
U27: "SENSOR, Gyroscope, I2C, 3-AXIS, 1.7-3.45V, SMT, LGA-16, 3mmX3mm", Current=None, Manufacturer 1="TDK InvenSense", Max Operating Temp=85, MFG Package=LGA-12, Min Operating Temp=-40, Part Name=LIS3MDL, Voltage=1.9-3.6V, Body Size="2mm x 2mm", Height=1mm, Item Phase="In Production", Manufacturer Part Number 1=ICG-20330, Part Number=ICG-20330, Pins=12, Revision=0A, UBX Code=None, Use in new designs=Yes
U28: "SENSOR, MAGNETOMETER, I2C, 3-AXIS, 1.9-3.6V, SMT, LGA-12, 2mmX2mm", Current=None, Manufacturer 1="ST Micro", Max Operating Temp=85, MFG Package=LGA-12, Min Operating Temp=-40, Voltage=1.9-3.6V, Body Size="2mm x 2mm", Height=1mm, Item Phase="In Production", Manufacturer Part Number 1=LIS3MDL, Part Name=LIS3MDL, Part Number=LIS3MDL, Pins=12, Revision=0A, UBX Code=None, Use in new designs=Yes
U29: "LDO, 3.0V, 200mA, SOT-5", Current=200mA, Manufacturer 1="Toshiba Semiconductor and Storage", Manufacturer 2=None, Manufacturer Part Number 1=TCR2LE30,LM(CT, Max Operating Temp=85, MFG Package=SOT-553, Min Operating Temp=-40, Part Name=TCR2LE30, Supplier Part Number 1=TCR2LE30LM(CTCT-ND, Voltage=6.0V, Body Size="2.9mm x 1.6mm", Height=1.3mm, Item Phase=Unreleased, Manufacturer Part Number 2=None, Part Number=260-00027, Pins=5, Reg Outputs=1xLDO, Revision=None, SMT Pitch=None, Supplier 1=Digi-Key, Supplier 2=None, Supplier Part Number 2=None, Thermal Pad=No, UBX Code=None, Use in new designs=Yes
U30: "Accelerometer, 2G-16G Max, 12bit, LGA-12", Manufacturer=STMicroelectronics, Manufacturer P/N=LIS2DH12TR, MFG Package="12-LGA (2x2)", Package Type=LGA, Part Name=LIS2DH12, Supplier Part Number 1=497-14851-1-ND, Voltage=3.6V, Accuracy=1mg/digit, Arena Link=https://app.bom.com/a/I0JRX4N4N65KM89I?v=spec.summary, Bit Resolution=12, Body Size="2mm x 2mm", Component Mounting Type=SMT, Controller Interface=I2C/SPI, Height=1mm, Item_Phase=Production, Part Number=250-00008, Part_Type="Active Sensor", Pins=12, Revision=0A, Sensor Range Max=+/-16g, Sensor Range Min=+/-2g, Sensor Type=Accelerometer, SMT Pitch=0.5mm, Supplier 1=Digi-Key, Use in new designs=Yes
U31: "SENSOR, AMBIENT LIGHT, I2C, SMT, GNSS, DFN-6 2mmX2mm", Current=None, Manufacturer 1=Lite-On, Max Operating Temp=85, MFG Package=QCS5P, Min Operating Temp=-40, Part Name=B39162B4353P810, Voltage=N/A, Body Size="1.4mm x 1.1mm", Height=0.45mm, Item Phase="In Production", Manufacturer Part Number 1=LTR-303ALS-01, Part Number=LTR-303ALS-01, Pins=5, Revision=0A, UBX Code=None, Use in new designs=Yes
U32 U33: "RF SWITCH, SPDT, I2C, 3-AXIS, 3-5V, 1-6GHz, SMT, DFN-6, 1mmX1mm", Current=None, Manufacturer 1="ST Micro", Max Operating Temp=85, MFG Package=LGA-12, Min Operating Temp=-40, Part Name=LIS3MDL, Voltage=1.9-3.6V, Body Size="2mm x 2mm", Height=1mm, Item Phase="In Production", Manufacturer Part Number 1=SKY13585-679LF:, Part Number=SKY13585-679LF:, Pins=12, Revision=0A, UBX Code=None, Use in new designs=Yes
U34: "Load Switch, 400mA, 1.8-5.5V, Active High Enable, SOT-23-5", Current=None, Manufacturer 1=onsemi, Manufacturer Part Number 1=FPF2104, Max Operating Temp=85, MFG Package=SOT-23-5, Min Operating Temp=-40, Voltage=5.5V, Body Size=SOT-23-5, Height=1.2mm, Item Phase="In Production", Manufacturer 2=None, Manufacturer Part Number 2=None, Pins=5, Revision=0A, Supplier 2=None, Supplier Part Number 2=None, UBX Code=None, Use in new designs=Yes
X1: "XTAL, 2Pin, 32.768kHz, 7pF 20ppm", Frequency=32.768kHz, Frequency Tolerance=20ppm, Manufacturer=Epson, Manufacturer 2="AVX Corporation", Manufacturer P/N="FC-135 32.7680KA-AG3", Manufacturer P/N 2=ST3215SB32768C0HPWBB, MFG Package=2-SMD, Part Name="XTAL 32.768kHz 7pF 20ppm 3215", Supplier Part Number 1=SER4086CT-ND, Arena Link=https://app.bom.com/a/L3MU07Q7Q98O5PC8?v=spec.summary, Body Size="3.2mm x 1.5mm", CL=7pF, Component Mounting Type=SMT, Height=0.9mm, Item_Phase=Production, Part Number=100-00005, Part_Type=Crystal/Oscillator, Pins=2, Revision=0C, Supplier 1=Digi-Key, Supplier 2=Digi-Key, Supplier Part Number 2=1253-1113-1-ND, Use in new designs=Yes
X2: "Crystal, 24.0000MHz, 20ppm, 10pF, 100 Ohm, -20Â°C - 70Â°C, SMT 4 Pin 2520", Manufacturer 1="Abracon LLC", Manufacturer 2=None, Manufacturer Part Number 1=ABM10-24.000MHZ-E20-T, Max Operating Temp=70, MFG Package=2520, Min Operating Temp=-20, Part Name="XTAL 24MHz 10pF 20ppm 2520", Supplier Part Number 1=535-9093-1-ND, Body Size="2.5mm x 2.0mm", Height=0.7mm, Item Phase=Unreleased, Manufacturer Part Number 2=None, Part Number=100-00017, Pins=4, Revision=None, Supplier 1=Digi-Key, Supplier 2=None, Supplier Part Number 2=None, UBX Code=None, Use in new designs=Yes, Voltage=None

## Free pads (board coordinates)
  rect 0.8x0.3 on Top Overlay: 4(15.525,3.975)

## Via types
v1: diameter 0.635, hole 0.305, L1 to L6, tented both sides, 1829 vias

## Nets (pads, with @x,y where several pads share a name; then routed paths per layer and width w, separated by ;. In a path a pad name is that pad's centre, name@x,y a point inside that pad or via, vN(x,y) a via of type N, cw(c..) or ccw(c..) an arc to the next point about the centre after c; other vN are vias at no path point)
3V3: BTN3.2 C22.2 C27.1 C39.2 C48.2 C52.1 C53.2 C66.2 C71.1 C72.2 C82.1 C94.2 C109.1 C110.1 C111.1 C112.2 C114.2 C115.2 C116.1 C119.1 C120.1 C124.1 C125.1 C126.1 C127.1 C131.2 C135.1 C136.1 C137.2 C138.2 C141.1 D20.6 J4.3 J5.2 J11.1 J15.1 J17.1 NC9.2 Q6.1 Q6.4 Q12.1 Q12.4 Q21.4 Q22.4 Q26.4 R50.1 R53.2 R57.1 R58.2 R77.2 R90.1 R112.1 R116.1 R122.2 R123.2 RGB2.4 TP30.1 U5.16 U7.8 U8.4 U8.5 U9.16 U15.16 U17.5 U18.2 U18.6 U18.8 U26.1 U26.6 U26.7 U26.12 U27.1 U27.5 U27.16 U28.5 U28.6 U28.9 U28.10 U29.3 U30.2 U30.3 U30.9 U30.10 U31.1 U34.1 | length 104.5
  L1 w0.15: v1(39.378,29.864) 39.803,30.29 39.96,30.29 U27.5@40.01,30.34
  L1 w0.152: C39.2@8.6,70.025 C39.2@8.625,70.05 ; U7.8@9.66,70.025 U7.8@9.68,70.005 ; Q6.1@20.942,77.749 20.942,78.335 21.127,78.521 21.667,78.521 21.795,78.648 21.795,78.727 21.942,78.874 Q6.4@21.942,78.999 ; R112.1@24.375,34.8 24.542,34.967 U26.7@25.552,34.967 ; U30.2@27.675,29 27.675,28.675 27.9,28.45 v1(28.175,28.45) U30.3@28.175,29 ; v1(33.144,30.599) 33.176,30.599 33.25,30.673 U28.10@33.25,31.25 U28.9@33.25,31.75 ; U18.2@35.481,52.063 35.669,52.063 36.517,52.912 37.006,52.912 37.122,52.796 37.448,52.796 U18.6@37.531,52.713
  L1 w0.203: U9.16@7.375,65.908 8.225,65.908 C48.2@8.375,65.758 8.379,65.754 9.039,65.754 v1(9.043,65.75) ; v1(10.802,17.15) R123.2@11.538,17.15 ; J5.2@10.875,31.65 10.934,31.709 C138.2@12.399,31.709 ; C138.2@12.325,31.769 12.34,31.769 C138.2@12.399,31.709 ; C138.2@12.498,31.61 C138.2@12.399,31.709 ; v1(13.828,31.666) 13.777,31.717 13.166,31.717 C115.2@13.115,31.769 13.056,31.709 C138.2@12.399,31.709 ; R50.1@16.65,61.736 R50.1@16.659,61.727 ; R57.1@16.653,59.2 R58.2@16.653,60.029 R53.2@16.653,60.875 16.653,61.72 R50.1@16.659,61.727 ; v1(17.331,61.715) 16.671,61.715 R50.1@16.659,61.727 ; v1(20.197,65.825) 20.197,65.912 20.5,66.216 Q12.1@20.5,66.341 20.5,66.725 20.75,66.975 21.16,66.975 21.452,67.267 21.452,67.542 Q12.4@21.5,67.591 ; Q21.4@24.403,45.888 v1(25.098,45.888) 25.098,45.648 24.876,45.426 R90.1@24.876,45.05 ; U5.16@24.597,82.025 25.172,82.025 25.222,81.975 25.547,81.975 C27.1@25.622,81.9 v1(27.045,81.9) ; U15.16@34.286,58.242 35.162,58.242 C66.2@35.301,58.104 35.44,58.243 35.46,58.223 35.567,58.223 36.058,58.714 36.058,58.717 v1(36.061,58.717) ; v1(50.168,30.754) 50.168,30.007 50.55,29.625 ; R116.1@50.45,27.75 50.55,27.85 50.55,29.625 ; Q26.4@51.225,29.625 50.55,29.625 ; C94.2@55.526,71.898 56.229,71.898 C111.1@56.303,71.972 ; R122.2@55.65,20 v1(55.65,20.75) ; Q22.4@65.513,39.479 66.096,39.479 v1(66.1,39.475)
  L1 w0.254: D20.6@16.066,29.7 v1(16.845,29.7) ; Q6.4@21.942,78.999 21.942,79.124 22.075,79.257 22.075,79.377 v1(22.658,79.961) ; C125.1@27.15,31.35 27.175,31.325 U30.10@27.175,30.5 U30.9@27.675,30.5 ; C112.2@33.419,33.667 33.577,33.509 33.75,33.336 U28.6@33.75,32.75 ; U28.5@34.25,32.75 34.25,33.344 C114.2@34.415,33.509 ; C116.1@39.291,33.182 C116.1@39.293,33.184 ; v1(39.295,33.87) 39.293,33.868 C116.1@39.293,33.184 ; U27.1@40.01,32.34 39.964,32.34 39.954,32.35 C127.1@39.291,32.35 39.293,32.352 C116.1@39.293,33.184 ; C141.1@40.275,33.379 40.179,33.284 39.392,33.284 C116.1@39.293,33.184 ; C141.1@40.29,33.379 40.423,33.246 40.423,33.003 40.775,32.651 U27.16@40.775,32.605
  L1 w0.305: C39.2@8.6,70.025 U7.8@9.66,70.025 ; C39.2@8.625,70.05 8.612,70.062 8.612,70.195 9,70.583 v1(9,70.75) ; v1(12.625,6.025) C131.2@13.35,6.025 14.685,6.025 J11.1@14.71,6 ; v1(21,8.5) C137.2@21,7.7 21.07,7.77 J15.1@24.365,7.77 ; U17.5@32.215,52.463 C71.1@33.089,52.463 ; C71.1@33.097,52.455 C71.1@33.089,52.463 33.312,52.463 33.889,51.886 R77.2@33.889,51.663 ; R77.2@33.88,51.655 R77.2@33.889,51.663 ; v1(33.889,49.926) R77.2@33.889,51.663 ; U18.8@37.531,51.413 38.282,51.413 38.321,51.453 ; U18.6@37.531,52.713 38.224,52.713 C72.2@38.321,52.617 38.321,51.453 ; v1(38.3,50.236) 38.321,50.257 38.321,51.453 ; C120.1@51.35,31.625 51.469,31.506 U29.3@52.075,31.506
  L1 w0.381: U26.7@25.552,34.967 25.7,35.115 25.7,38.217 25.553,38.364 v1(25.553,39.171) ; v1(25.75,32.175) 25.8,32.175 26.196,31.779 C124.1@26.196,31.19 ; C126.1@26.196,30.075 C124.1@26.196,31.19 ; C125.1@27.15,31.35 26.356,31.35 C124.1@26.196,31.19 ; v1(28.85,32.918) U26.12@28.85,33.87 ; U26.1@29.65,36.065 29.663,36.077 29.663,37.035 v1(29.663,37.036) ; v1(32.55,33.667) C112.2@33.419,33.667 ; 33.577,33.509 C114.2@34.415,33.509 ; v1(41.09,64.436) 41.184,64.436 v1@41.325,64.578 ; TP30.1@42.257,63.171 42.257,64.194 v1(42.5,64.436) 42.416,64.436 v1@42.275,64.578
  L1 w0.508: J4.3@2.757,46.64 2.25,47.147 C82.1@2.25,47.8 2.929,47.8 v1(3.039,47.91) ; J4.3@2.903,46.493 J4.3@3.05,46.64 ; J4.3@3.137,46.727 4.565,45.299 4.565,39.548 NC9.2@4.699,39.414 ; v1@41.325,64.578 C52.1@41.325,65.125 U8.4@41.325,66.05 ; v1@42.275,64.578 U8.5@42.275,66.05 ; v1(50.168,30.754) 50.168,31.193 C119.1@50.55,31.575 C120.1@51.35,31.575
  L1 w0.635: v1@41.184,64.436 v1@42.416,64.436 ; 55.925,72.092 U34.1@55.925,73.408
  L1 w0.889: 55.925,72.092 56.024,71.994 56.665,71.994 56.92,71.738 C111.1@56.92,71.038 C111.1@56.656,71.303 ; 56.85,68.671 56.92,68.741
  L1 w1.2: 56.92,68.741 C111.1@56.92,71.038
  L3 w0.203: v1(27.045,81.9) v1@27.15,81.9
  L6 w0.203: C136.1@12.925,55.525 C136.1@12.95,55.525 14.025,55.525 14.025,55.475 15.167,55.475 15.595,55.902 15.712,55.902 16.259,56.45 v1(16.259,56.494)
  L6 w0.305: U31.1@12.26,57.711 12.925,57.046 C136.1@12.925,55.525 ; J17.1@25.635,7.77 v1@26.389,8.524
  L6 w0.381: RGB2.4@55.849,58.969 55.876,58.996 56.437,58.996 v1(56.485,59.044)
  L6 w0.508: BTN3.2@53.2,2 53.2,3.35 v1(53.225,3.375)
  other v1: 26.4,8.55 41.8,64.422 56.469,68.525 57.231,68.525 56.485,69.223 57.224,69.223